# KiCad board RX8-7(WithoutOpAmps).kicad_pcb
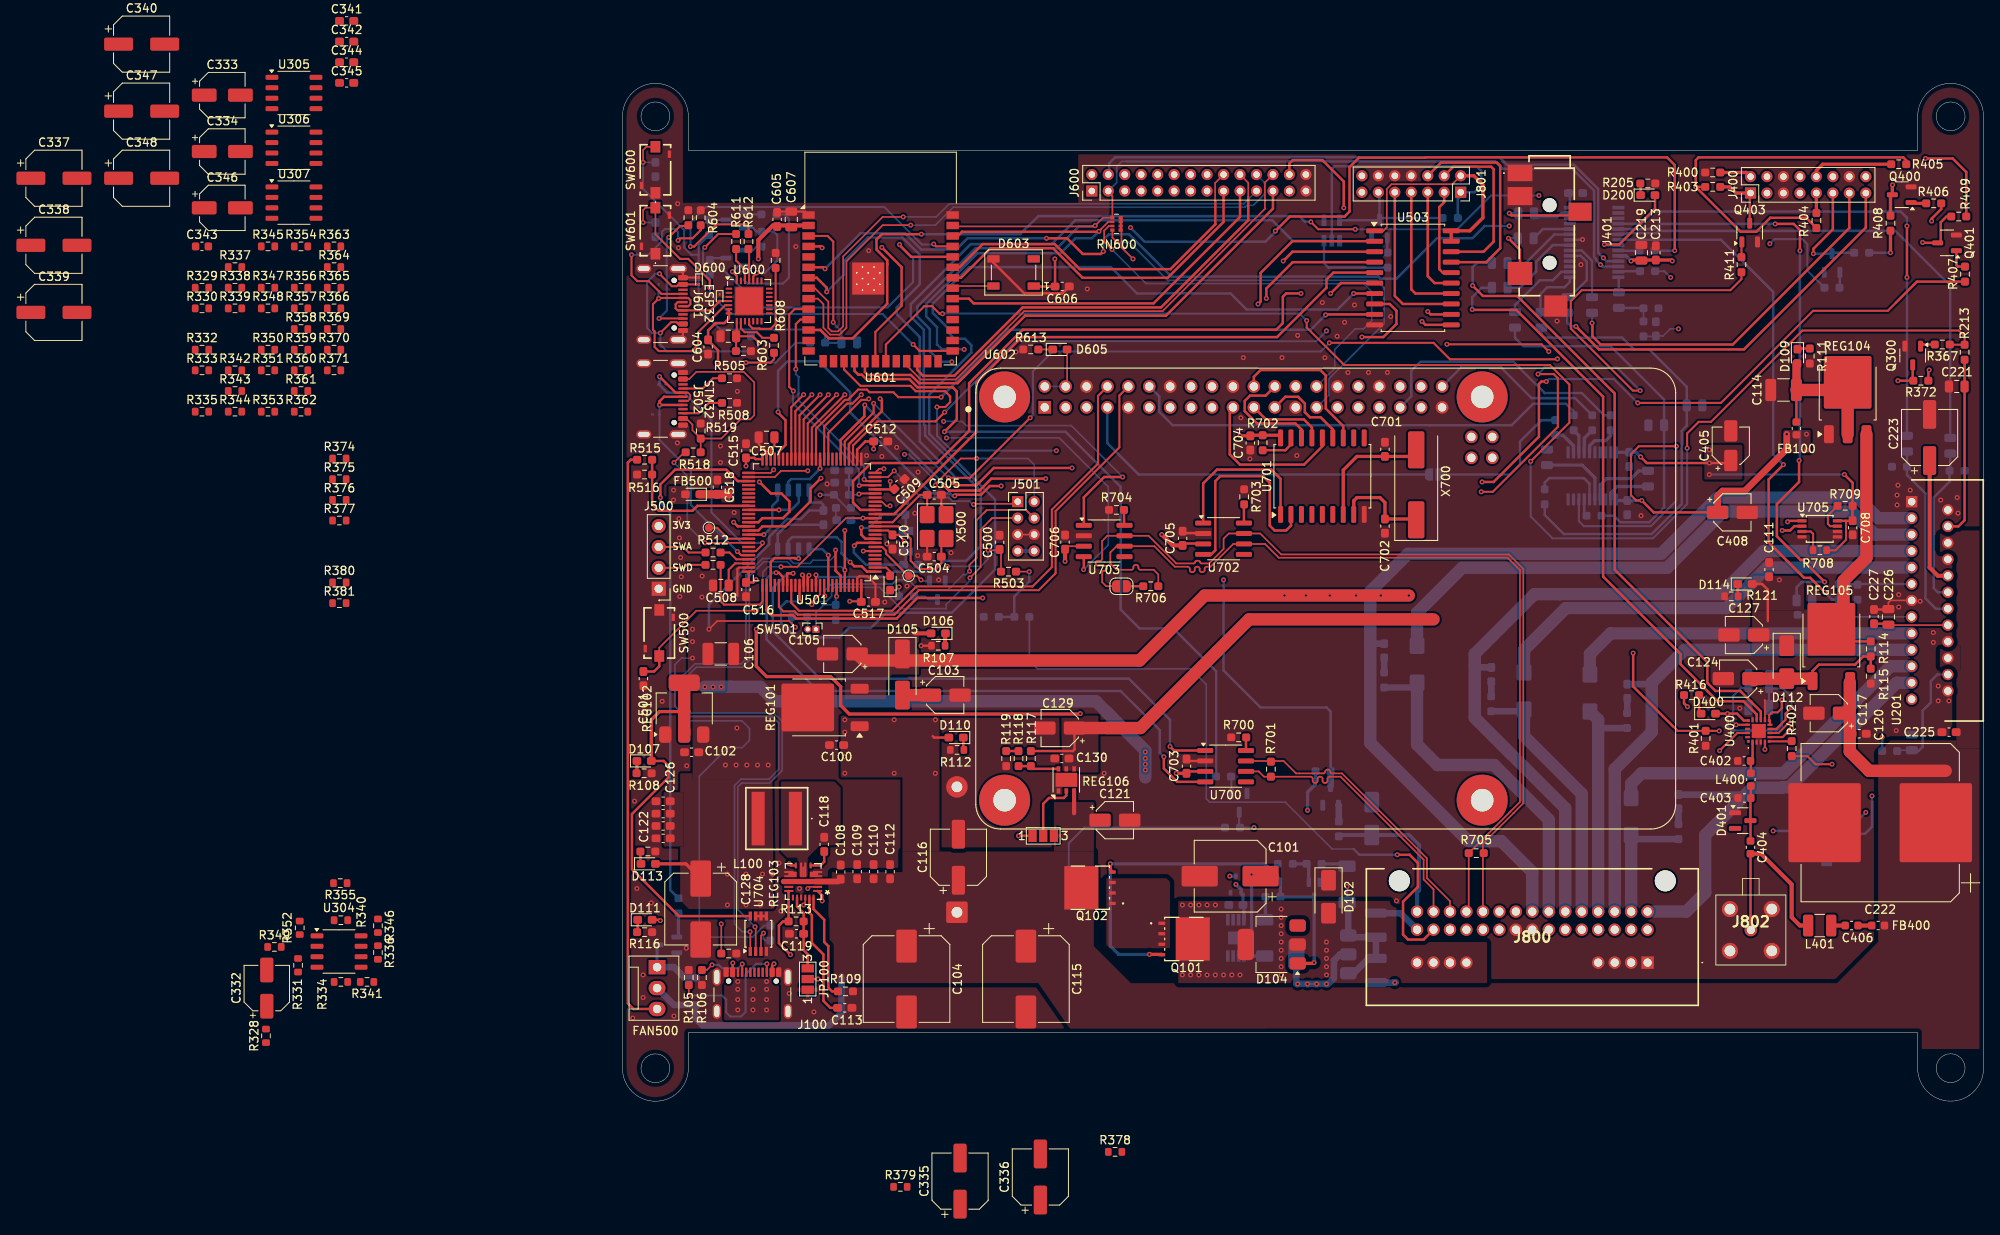
[diagram p0: board, top side]
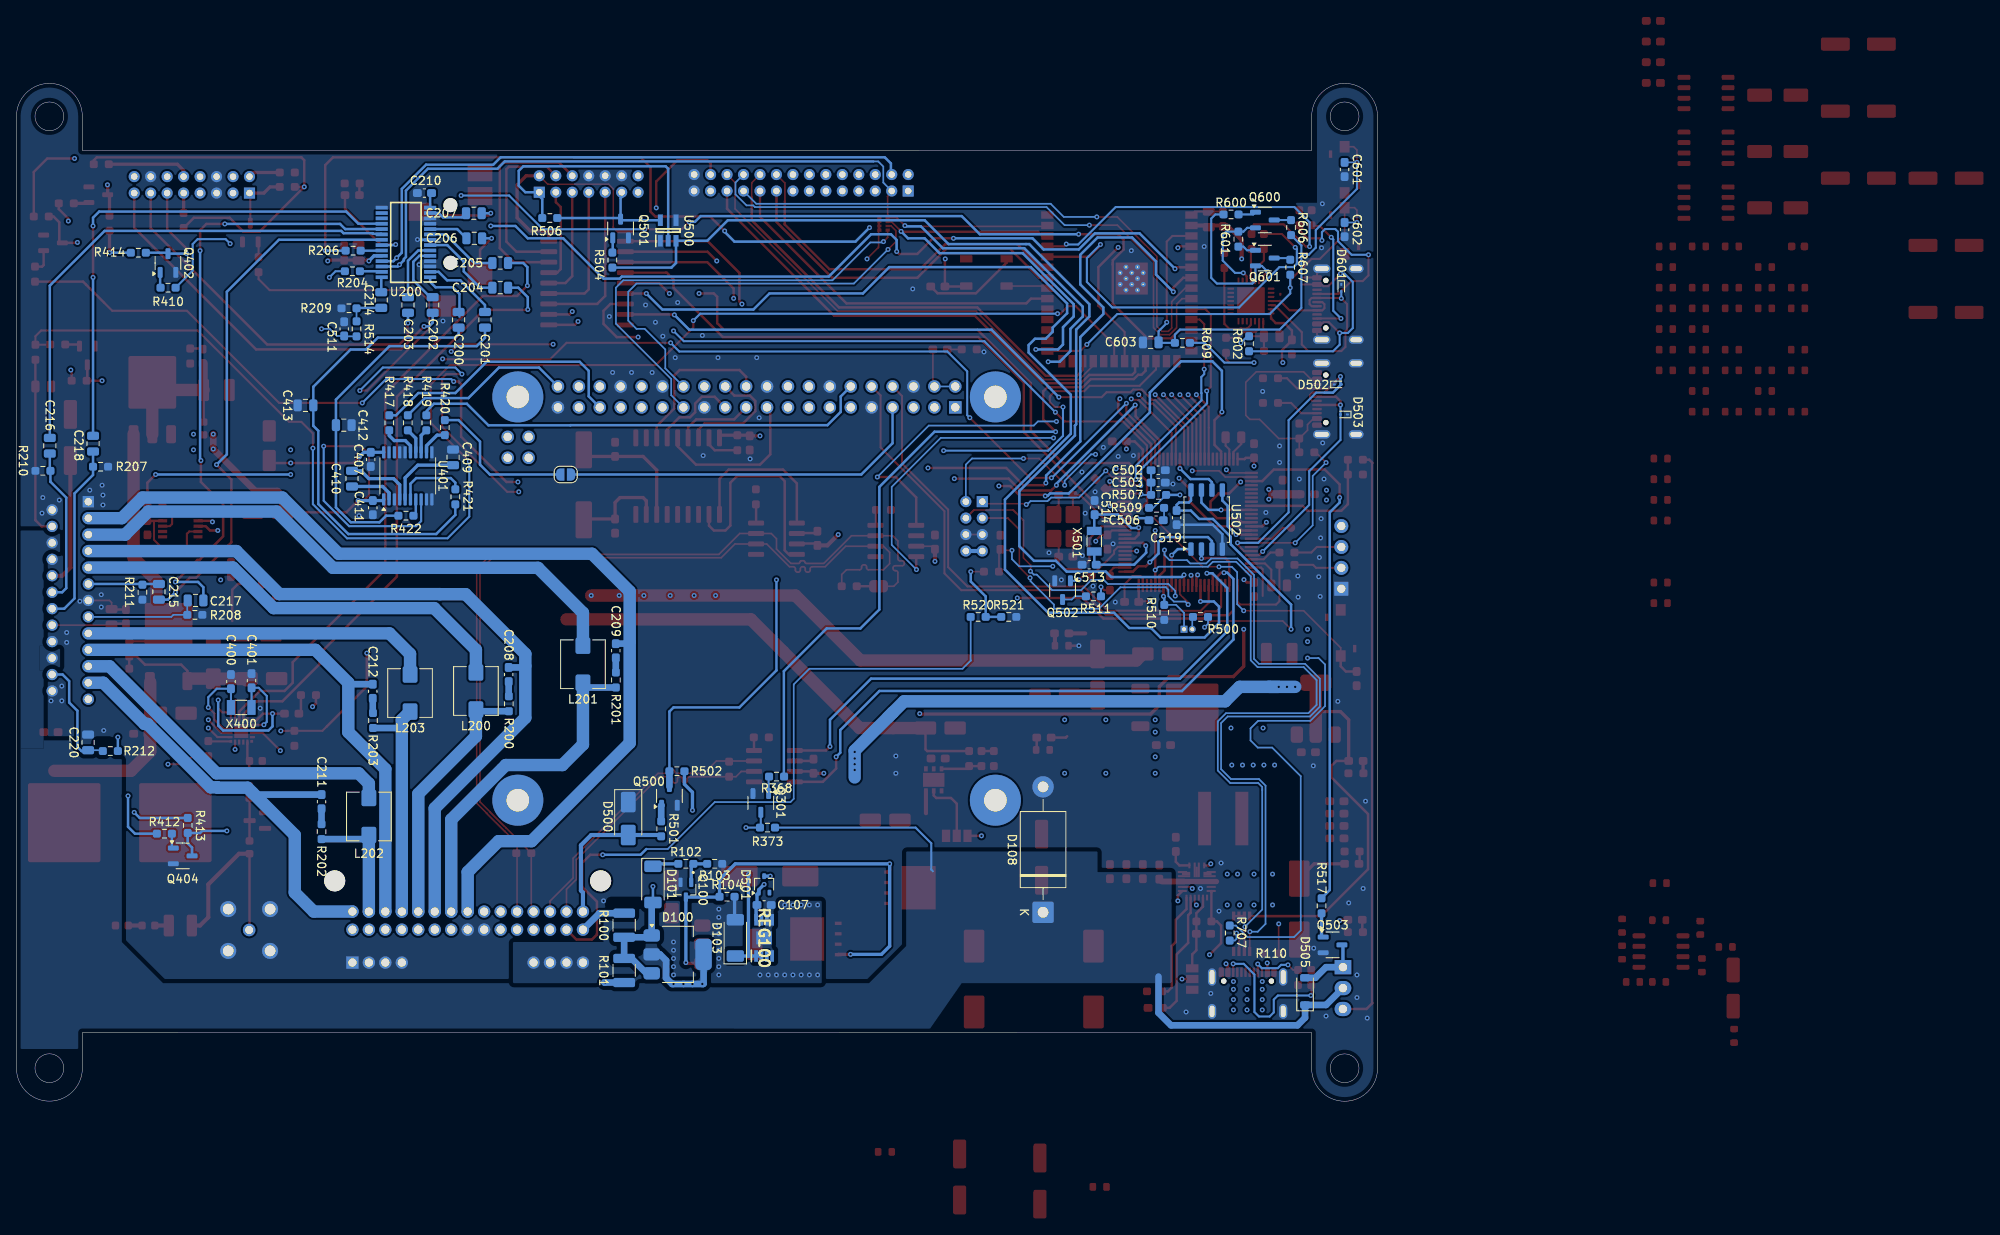
[diagram p1: board, bottom side, seen from below]

Outline 165.3 x 123.66 mm; copper layers: Top, In1.Cu, In2.Cu, Bottom. Coordinates in mm from the lower left corner of the outline.
Outline path: circle c4,119.66 r1.75 ; circle c4,4 r1.75 ; circle c161.3,119.66 r1.75 ; circle c161.3,4.01 r1.75 ; 0,119.66 0,4.01 arc(3.99,0) 8,3.98 8,8.32 157.3,8.33 157.3,4.02 arc(161.29,0.01) 165.3,3.99 165.3,119.68 arc(161.29,123.66) 157.3,119.66 157.3,115.53 8,115.54 8,119.68 arc(3.99,123.66) 0,119.66
Stack: Top 0.035mm / dielectric 0.1mm FR4 er 4.5 / In1.Cu 0.035mm / dielectric 1.24mm FR4 er 4.5 / In2.Cu 0.035mm / dielectric 0.1mm FR4 er 4.5 / Bottom 0.035mm

## Placement (name value [footprint] x y rotation side)
C100  100n  [C_0603_1608Metric_Pad1.08x0.95mm_HandSolder]  26 43.27 180 top
C101  10u  [CP_Elec_8x10.5]  73.8 27.34 180 top
C102  100n  [C_0603_1608Metric_Pad1.08x0.95mm_HandSolder]  8.4 42.4 180 top
C103  10u  [CP_Elec_4x5.4]  39.2 49.34 0 top
C104  220u  [CP_Elec_10x10]  34.5 14.84 270 top
C105  1u  [CP_Elec_4x5.7]  26.7 54.34 180 top
C106  10u  [C_1210_3225Metric_Pad1.33x2.70mm_HandSolder]  11.94 54.34 0 top
C107  100n  [C_0603_1608Metric_Pad1.08x0.95mm_HandSolder]  74.5 23.84 180 bottom
C108  10u  [C_0603_1608Metric_Pad1.08x0.95mm_HandSolder]  26.5 27.84 90 top
C109  10u  [C_0603_1608Metric_Pad1.08x0.95mm_HandSolder]  28.5 27.89 90 top
C110  100n  [C_0603_1608Metric_Pad1.08x0.95mm_HandSolder]  30.5 27.89 90 top
C111  100n  [C_0603_1608Metric_Pad1.08x0.95mm_HandSolder]  139.25 64.59 90 top
C112  100n  [C_0603_1608Metric_Pad1.08x0.95mm_HandSolder]  32.5 27.89 90 top
C113  22n  [C_0603_1608Metric_Pad1.08x0.95mm_HandSolder]  27 11.34 0 top
C114  10u  [C_1210_3225Metric_Pad1.33x2.70mm_HandSolder]  141.01 86.42 180 top
C115  100u  [CP_Elec_10x10]  49 14.84 270 top
C116  47u  [CP_Elec_6.3x5.9]  40.8 29.64 90 top
C117  10u  [CP_Elec_4x5.4]  146.5 47.14 180 top
C118  100n  [C_0603_1608Metric_Pad1.08x0.95mm_HandSolder]  24.5 31.21 90 top
C119  4u7  [C_0603_1608Metric_Pad1.08x0.95mm_HandSolder]  21.14 20.34 180 top
C120  100n  [C_0603_1608Metric_Pad1.08x0.95mm_HandSolder]  150.2 44.64 0 top
C121  10u  [CP_Elec_4x5.4]  59.8 34.14 0 top
C122  47u  [C_0603_1608Metric_Pad1.08x0.95mm_HandSolder]  4.94 31.93 180 top
C123  47u  [C_0603_1608Metric_Pad1.08x0.95mm_HandSolder]  4.94 33.44 180 top
C124  10u  [CP_Elec_4x5.4]  135.5 51.34 180 top
C125  22u  [C_0603_1608Metric_Pad1.08x0.95mm_HandSolder]  4.94 34.94 180 top
C126  22uF  [C_0603_1608Metric_Pad1.08x0.95mm_HandSolder]  4.94 36.44 180 top
C127  1u  [CP_Elec_4x5.4]  136.2 56.64 180 top
C128  470u  [CP_Elec_8x10.5]  9.5 23.34 270 top
C129  4u7  [CP_Elec_4x5.4]  53.1 45.34 180 top
C130  100n  [C_0603_1608Metric_Pad1.08x0.95mm_HandSolder]  53.36 41.64 180 top
C200  1u  [C_0805_2012Metric]  111.6 94.94 90 bottom
C201  1u  [C_0805_2012Metric]  108.4 94.94 90 bottom
C202  1u  [C_0805_2012Metric]  114.75 96.74 90 bottom
C203  1u  [C_0805_2012Metric]  117.75 96.74 90 bottom
C204  1u  [C_0805_2012Metric]  106.55 98.84 0 bottom
C205  1u  [C_0805_2012Metric]  106.55 101.84 0 bottom
C206  1u  [C_0805_2012Metric]  109.7 104.84 0 bottom
C207  1u  [C_0805_2012Metric]  109.75 107.89 0 bottom
C208  100n  [C_0603_1608Metric_Pad1.08x0.95mm_HandSolder]  105.52 51.84 90 bottom
C209  100n  [C_0603_1608Metric_Pad1.08x0.95mm_HandSolder]  92.51 54.73 90 bottom
C210  470n  [C_0603_1608Metric_Pad1.08x0.95mm_HandSolder]  115.75 110.34 0 bottom
C211  100n  [C_0603_1608Metric_Pad1.08x0.95mm_HandSolder]  128.25 36.39 90 bottom
C212  100n  [C_0603_1608Metric_Pad1.08x0.95mm_HandSolder]  122.03 49.81 90 bottom
C213  100n  [C_0603_1608Metric_Pad1.08x0.95mm_HandSolder]  125.5 103.07 90 top
C214  1u  [C_0805_2012Metric]  121 97.34 270 bottom
C215  2u2  [C_0805_2012Metric]  148 61.89 90 bottom
C216  2u2  [C_0805_2012Metric]  161.25 79.64 270 bottom
C217  2u2  [C_0805_2012Metric]  143.55 60.84 0 bottom
C218  2u2  [C_0805_2012Metric]  156 79.89 270 bottom
C219  10u  [C_0805_2012Metric]  123.75 103.09 90 top
C220  1u  [C_0805_2012Metric]  156.6 43.59 90 bottom
C221  1u  [C_0805_2012Metric]  162.05 86.84 180 top
C222  4700u  [CP_Elec_18x22]  152.75 33.84 180 top
C223  47u  [CP_Elec_6.3x5.9]  158.75 80.64 90 top
C225  100n  [C_0603_1608Metric_Pad1.08x0.95mm_HandSolder]  161.11 44.84 180 top
C226  470n  [C_0805_2012Metric]  153.75 58.84 90 top
C227  100n  [C_0603_1608Metric_Pad1.08x0.95mm_HandSolder]  152 58.88 90 top
C332  4u7  [CP_Elec_5x4.5]  -43.2 13.74 90 top
C333  4u7  [CP_Elec_5x4.5]  -48.6 122.24 0 top
C334  4u7  [CP_Elec_5x4.5]  -48.6 115.39 0 top
C335  220u  [CP_Elec_6.3x5.3]  41 -9.71 90 top
C336  220u  [CP_Elec_6.3x5.3]  50.75 -9.21 90 top
C337  220u  [CP_Elec_6.3x5.3]  -69.05 112.14 0 top
C338  220u  [CP_Elec_6.3x5.3]  -69.05 103.99 0 top
C339  220u  [CP_Elec_6.3x5.3]  -69.05 95.84 0 top
C340  220u  [CP_Elec_6.3x5.3]  -58.4 128.44 0 top
C341  100n  [C_0603_1608Metric_Pad1.08x0.95mm_HandSolder]  -33.5 131.26 0 top
C342  100n  [C_0603_1608Metric_Pad1.08x0.95mm_HandSolder]  -33.5 128.75 0 top
C343  100n  [C_0603_1608Metric]  -51.07 103.86 0 top
C344  100n  [C_0603_1608Metric_Pad1.08x0.95mm_HandSolder]  -33.5 126.24 0 top
C345  100n  [C_0603_1608Metric_Pad1.08x0.95mm_HandSolder]  -33.5 123.73 0 top
C346  4u7  [CP_Elec_5x4.5]  -48.6 108.54 0 top
C347  220u  [CP_Elec_6.3x5.3]  -58.4 120.29 0 top
C348  220u  [CP_Elec_6.3x5.3]  -58.4 112.14 0 top
C400  22p  [C_0603_1608Metric_Pad1.08x0.95mm_HandSolder]  139.25 50.98 90 bottom
C401  22p  [C_0603_1608Metric_Pad1.08x0.95mm_HandSolder]  136.75 51.09 90 bottom
C402  NA  [C_0603_1608Metric]  136.22 41.34 0 top
C403  NA  [C_0603_1608Metric]  136.26 36.84 0 top
C404  470p  [C_0603_1608Metric]  137 30.84 270 top
C405  10u  [CP_Elec_4x5.4]  134.6 79.64 90 top
C406  10u  [C_0603_1608Metric]  149.28 21.34 0 top
C407  100n  [C_0603_1608Metric_Pad1.08x0.95mm_HandSolder]  122.28 77.98 270 bottom
C408  10u  [CP_Elec_4x5.4]  134.8 71.54 0 top
C409  2u2  [C_0805_2012Metric]  112.28 78.23 270 bottom
C410  2u2  [C_0805_2012Metric]  124.55 75.64 270 bottom
C411  100n  [C_0603_1608Metric_Pad1.08x0.95mm_HandSolder]  122.03 72.12 270 bottom
C412  2u2  [C_0805_2012Metric]  125.55 82.14 0 bottom
C413  2u2  [C_0805_2012Metric]  130.2 84.54 180 bottom
C500  100n  [C_0603_1608Metric_Pad1.08x0.95mm_HandSolder]  45.8 67.91 90 top
C501  100n  [C_0603_1608Metric_Pad1.08x0.95mm_HandSolder]  2.54 51.35 90 top
C502  100n  [C_0603_1608Metric_Pad1.08x0.95mm_HandSolder]  26.64 76.67 180 bottom
C503  10u  [C_0603_1608Metric_Pad1.08x0.95mm_HandSolder]  26.64 75.17 180 bottom
C504  12p  [C_0603_1608Metric_Pad1.08x0.95mm_HandSolder]  37.86 66.17 0 top
C505  12p  [C_0603_1608Metric_Pad1.08x0.95mm_HandSolder]  37.86 73.67 0 top
C506  100n  [C_0603_1608Metric_Pad1.08x0.95mm_HandSolder]  26.89 70.59 0 bottom
C507  2u2  [C_0805_2012Metric]  17.5 80.67 180 top
C508  2u2  [C_0805_2012Metric]  11.95 62.67 180 top
C509  100n  [C_0603_1608Metric_Pad1.08x0.95mm_HandSolder]  33.64 74.98 225 top
C510  100n  [C_0603_1608Metric_Pad1.08x0.95mm_HandSolder]  32.8 67.94 90 top
C511  100n  [C_0603_1608Metric_Pad1.08x0.95mm_HandSolder]  125.5 93.84 270 bottom
C512  100n  [C_0603_1608Metric_Pad1.08x0.95mm_HandSolder]  31.36 80.17 180 top
C513  15p  [C_0603_1608Metric_Pad1.08x0.95mm_HandSolder]  35.02 65.19 0 bottom
C514  15p  [C_0603_1608Metric_Pad1.08x0.95mm_HandSolder]  34.36 72.13 90 bottom
C515  100n  [C_0603_1608Metric_Pad1.08x0.95mm_HandSolder]  15 79.03 270 top
C516  100n  [C_0603_1608Metric_Pad1.08x0.95mm_HandSolder]  15 62.17 90 top
C517  100n  [C_0603_1608Metric_Pad1.08x0.95mm_HandSolder]  29.86 60.67 180 top
C518  10u  [C_0603_1608Metric_Pad1.08x0.95mm_HandSolder]  11.53 74.61 90 top
C519  100n  [C_0603_1608Metric_Pad1.08x0.95mm_HandSolder]  24.4 70.91 90 bottom
C600  1u  [C_0805_2012Metric]  12.85 92.94 180 top
C601  100n  [C_0603_1608Metric_Pad1.08x0.95mm_HandSolder]  4 113.21 90 bottom
C602  100n  [C_0603_1608Metric_Pad1.08x0.95mm_HandSolder]  4 105.91 90 bottom
C603  1u  [C_0805_2012Metric]  27.54 92.2 0 bottom
C604  100n  [C_0603_1608Metric_Pad1.08x0.95mm_HandSolder]  10.4 91.64 270 top
C605  100n  [C_0603_1608Metric_Pad1.08x0.95mm_HandSolder]  18.78 107.14 90 top
C606  100n  [C_0603_1608Metric_Pad1.08x0.95mm_HandSolder]  53.4 98.99 0 top
C607  10u  [C_0805_2012Metric]  20.5 107.14 90 top
C701  22p  [C_0603_1608Metric_Pad1.08x0.95mm_HandSolder]  92.6 79.21 270 top
C702  22p  [C_0603_1608Metric_Pad1.08x0.95mm_HandSolder]  92.6 69.88 90 top
C703  100n  [C_0603_1608Metric_Pad1.08x0.95mm_HandSolder]  68.5 40.71 270 top
C704  100n  [C_0603_1608Metric_Pad1.08x0.95mm_HandSolder]  76.25 79.98 90 top
C705  100n  [C_0603_1608Metric_Pad1.08x0.95mm_HandSolder]  68.02 68.39 270 top
C706  100n  [C_0603_1608Metric_Pad1.08x0.95mm_HandSolder]  53.75 67.93 270 top
C708  100n  [C_0603_1608Metric_Pad1.08x0.95mm_HandSolder]  149.4 69.68 90 top
D100  D_Zener  [SOT-223-3_TabPin2#2]  85 17.84 180 bottom
D101  1N5402  [D_SOD-128]  88 26.34 270 bottom
D102  SMAJ24A  [D_SMA]  85.75 24.84 270 top
D103  1N5402  [D_SOD-128]  78 19.84 90 bottom
D104  D_Zener  [SOT-223-3_TabPin2]  78.85 19.04 180 top
D105  1N4007  [D_SMA_Handsoldering]  34 51.84 270 top
D106  LED  [LED_0603_1608Metric_Pad1.05x0.95mm_HandSolder]  38.35 56.84 180 top
D107  LED  [LED_0603_1608Metric_Pad1.05x0.95mm_HandSolder]  2.63 41.34 0 top
D108  1.5KExxA  [D_DO-201AE_P15.24mm_Horizontal]  40.62 22.95 90 bottom
D109  LED  [LED_0603_1608Metric_Pad1.05x0.95mm_HandSolder]  142.7 90.51 270 top
D110  LED  [LED_0603_1608Metric_Pad1.05x0.95mm_HandSolder]  40.52 44.18 180 top
D111  LED  [LED_0603_1608Metric_Pad1.05x0.95mm_HandSolder]  2.72 22.04 0 top
D112  1N4007  [D_SMA]  141.4 53.34 270 top
D113  LED  [LED_0603_1608Metric_Pad1.05x0.95mm_HandSolder]  3.12 28.84 0 top
D114  LED  [LED_0603_1608Metric_Pad1.05x0.95mm_HandSolder]  136.32 62.84 0 top
D200  LED  [LED_0603_1608Metric_Pad1.05x0.95mm_HandSolder]  124.53 110.09 0 top
D400  LED  [LED_0603_1608Metric_Pad1.05x0.95mm_HandSolder]  131.88 47.09 0 top
D401  NUP2105L  [SOT-23]  136.05 34.09 0 top
D500  SMAJ24A  [D_SMA]  91 34.34 270 bottom
D501  BAT54W  [SOT-323_SC-70]  74.5 26.34 90 bottom
D502  ESD9B5.0ST5G  [D_SOD-923]  4.83 87.09 180 bottom
D503  ESD9B5.0ST5G  [D_SOD-923]  4.08 83.44 0 bottom
D504  LED  [LED_0603_1608Metric_Pad1.05x0.95mm_HandSolder]  32.5 62.97 90 top
D505  1N4001  [D_SOD-123]  8.8 13.34 90 bottom
D600  ESD9B5.0ST5G  [D_SOD-923]  9.3 99.66 270 top
D601  ESD9B5.0ST5G  [D_SOD-923]  4.4 98.82 270 bottom
D602  ESD9B5.0ST5G  [D_SOD-923]  11.8 97.62 270 top
D603  WS2812B  [LED_WS2812B_PLCC4_5.0x5.0mm_P3.2mm]  47.5 100.69 180 top
D605  LED  [LED_0603_1608Metric_Pad1.05x0.95mm_HandSolder]  53.12 91.34 0 top
FAN500  Fan_3pin  [FanPinHeader_1x03_P2.54mm_Vertical]  4.2 16.28 270 top
FB100  FerriteBead  [C_0603_1608Metric]  142.58 81.74 90 top
FB400  FerriteBead  [C_0603_1608Metric]  152.5 21.34 180 top
FB500  FerriteBead  [LED_0603_1608Metric_Pad1.05x0.95mm_HandSolder]  8.53 73.74 180 top
J100  USB_C_Receptacle_USB2.0_16P  [USB_C_Receptacle_GCT_USB4105-xx-A_16P_TopMnt_Horizontal]  15.78 11.99 0 top
J400  Conn_01x15_Pin  [PinHeader_2x08_P2.00mm_Vertical]  137 110.34 90 top
J401  -  [35RASMT6CHNTRX]  112.6 105.74 270 top
J500  Conn_01x04_Pin  [PinHeader_1x04_P2.54mm_Vertical]  4.4 62.26 180 top
J501  Conn_01x04_Pin  [PinHeader_2x04_P2.00mm_Vertical]  48 72.85 0 top
J502  USB_C_Receptacle_USB2.0_16P  [USB_C_Receptacle_GCT_USB4105-xx-A_16P_TopMnt_Horizontal]  3.67 85.34 270 top
J600  Conn_01x24_Pin  [PinHeader_2x14_P2.00mm_Vertical]  57 110.59 90 top
J601  USB_C_Receptacle_USB2.0_16P  [USB_C_Receptacle_GCT_USB4105-xx-A_16P_TopMnt_Horizontal]  3.67 96.84 270 top
J800  34958-0383  [349580383]  124.5 16.84 180 top
J801  Conn_01x12_Pin  [PinSocket_2x07_P2.00mm_Vertical]  101.8 110.44 270 top
J802  59S10H-400T5-A  [59S10H400T5A]  134.5 23.34 0 top
JP100  Jumper_3_Bridged12  [SolderJumper-3_P1.3mm_Open_Pad1.0x1.5mm_NumberLabels]  22.5 14.84 90 top
JP101  Jumper_3_Bridged12  [SolderJumper-3_P1.3mm_Open_Pad1.0x1.5mm_NumberLabels]  51.1 32.24 0 top
JP600  Jumper_2_Open  [SolderJumper-2_P1.3mm_Open_RoundedPad1.0x1.5mm#2]  98.6 76.14 0 bottom
JP702  Jumper_2_Bridged  [SolderJumper-2_P1.3mm_Open_RoundedPad1.0x1.5mm]  60.6 62.57 0 top
L100  4.7uH  [XAL7030472MEC]  18.74 34.34 180 top
L200  10u  [L_Bourns_SRP5030T]  109.5 49.84 270 bottom
L201  10u  [L_Bourns_SRP5030T]  96.5 53.09 270 bottom
L202  10u  [L_Bourns_SRP5030T]  122.5 34.59 270 bottom
L203  10u  [L_Bourns_SRP5030T]  117.5 49.59 270 bottom
L400  NA  [C_0603_1608Metric]  137.04 39.07 270 top
L401  10u  [L_1210_3225Metric]  145.4 21.34 0 top
Q100  NPN  [SOT65P210X125-3N]  84 25.69 270 bottom
Q101  SQJ407EP-T1_GE3  [PowerPAK-SO-8L_Option-2_VIS]  68.21 19.71 0 top
Q102  SQJ407EP-T1_GE3  [PowerPAK-SO-8L_Option-2_VIS]  56.79 25.94 180 top
Q300  NPN  [SOT-23-3(CORRECTED)]  156.7 90.61 270 top
Q301  NPN  [SOT-23-3(CORRECTED)]  74.9 36.24 270 bottom
Q400  NPN  [SOT-23-3(CORRECTED)]  155.36 110.14 180 top
Q401  NPN  [SOT-23-3(CORRECTED)]  160.86 104.29 180 top
Q402  NPN  [SOT-23-3(CORRECTED)]  146.9 101.84 90 bottom
Q403  NPN  [SOT-23-3(CORRECTED)]  136.9 105.54 90 top
Q404  NPN  [SOT-23-3(CORRECTED)]  145.11 29.81 180 bottom
Q500  NPN  [SOT-23-3(CORRECTED)]  86 37.09 90 bottom
Q501  NPN  [SOT-23-3(CORRECTED)]  91.93 106.04 90 bottom
Q502  NPN  [SOT-23-3(CORRECTED)]  38.25 62.09 270 bottom
Q503  NPN  [SOT-23-3(CORRECTED)]  5.46 18.99 180 bottom
Q600  NPN  [SOT-23-3(CORRECTED)]  13.69 107.07 180 bottom
Q601  NPN  [SOT-23-3(CORRECTED)]  13.69 102.44 180 bottom
R100  10k  [R_1210_3225Metric]  91.5 21.38 270 bottom
R101  10k  [R_1210_3225Metric]  91.5 15.88 90 bottom
R102  22k  [R_0603_1608Metric_Pad0.98x0.95mm_HandSolder]  84 28.84 180 bottom
R103  10k  [R_0603_1608Metric_Pad0.98x0.95mm_HandSolder]  80.5 28.84 0 bottom
R104  10k  [R_0603_1608Metric_Pad0.98x0.95mm_HandSolder]  79 24.84 180 bottom
R105  5k1  [R_0603_1608Metric_Pad0.98x0.95mm_HandSolder]  8.05 15.03 90 top
R106  5k1  [R_0603_1608Metric_Pad0.98x0.95mm_HandSolder]  9.65 15.03 270 top
R107  22k  [R_0603_1608Metric]  38.35 55.34 0 top
R108  22k  [R_0603_1608Metric_Pad0.98x0.95mm_HandSolder]  2.62 39.84 0 top
R109  62k  [R_0603_1608Metric_Pad0.98x0.95mm_HandSolder]  27.09 13.34 0 top
R110  51k  [R_0603_1608Metric_Pad0.98x0.95mm_HandSolder]  12.91 17.94 0 top
R111  22k  [R_0603_1608Metric_Pad0.98x0.95mm_HandSolder]  144.2 90.54 270 top
R112  22k  [R_0603_1608Metric]  40.64 42.68 0 top
R113  100k  [R_0603_1608Metric_Pad0.98x0.95mm_HandSolder]  21.09 21.84 0 top
R114  240R  [R_0603_1608Metric_Pad0.98x0.95mm_HandSolder]  151.6 54.96 270 top
R115  1k5  [R_0603_1608Metric_Pad0.98x0.95mm_HandSolder]  151.6 51.64 270 top
R116  2K2  [R_0603_1608Metric_Pad0.98x0.95mm_HandSolder]  2.69 20.54 180 top
R117  2k  [R_0603_1608Metric_Pad0.98x0.95mm_HandSolder]  49.6 41.63 90 top
R118  12k  [R_0603_1608Metric_Pad0.98x0.95mm_HandSolder]  48.1 41.63 270 top
R119  1k8  [R_0603_1608Metric_Pad0.98x0.95mm_HandSolder]  46.6 41.63 90 top
R120  2K2  [R_0603_1608Metric_Pad0.98x0.95mm_HandSolder]  3.09 30.34 180 top
R121  22k  [R_0603_1608Metric]  134.68 61.34 0 top
R200  10R  [R_0603_1608Metric_Pad0.98x0.95mm_HandSolder]  105.5 48.29 90 bottom
R201  10R  [R_0603_1608Metric_Pad0.98x0.95mm_HandSolder]  92.5 51.18 90 bottom
R202  10R  [R_0603_1608Metric_Pad0.98x0.95mm_HandSolder]  128.25 32.76 90 bottom
R203  10R  [R_0603_1608Metric_Pad0.98x0.95mm_HandSolder]  122 46.26 90 bottom
R204  100k  [R_0603_1608Metric_Pad0.98x0.95mm_HandSolder]  124.5 100.84 0 bottom
R205  22k  [R_0603_1608Metric_Pad0.98x0.95mm_HandSolder]  124.53 111.51 0 top
R206  10k  [R_0603_1608Metric_Pad0.98x0.95mm_HandSolder]  124.41 103.34 0 bottom
R207  10k  [R_0603_1608Metric_Pad0.98x0.95mm_HandSolder]  155.09 77.09 180 bottom
R208  10k  [R_0603_1608Metric_Pad0.98x0.95mm_HandSolder]  143.64 59.09 180 bottom
R209  10k  [R_0603_1608Metric_Pad0.98x0.95mm_HandSolder]  124.91 96.34 0 bottom
R210  10k  [R_0603_1608Metric_Pad0.98x0.95mm_HandSolder]  162.09 76.59 0 bottom
R211  10k  [R_0603_1608Metric_Pad0.98x0.95mm_HandSolder]  150 61.84 270 bottom
R212  47k  [R_0603_1608Metric_Pad0.98x0.95mm_HandSolder]  153.9 42.54 0 bottom
R213  10k  [R_0603_1608Metric_Pad0.98x0.95mm_HandSolder]  163 91.01 270 top
R328  4k3  [R_0603_1608Metric]  -43.3 7.94 90 top
R329  4k3  [R_0603_1608Metric]  -51.07 98.84 0 top
R330  4k3  [R_0603_1608Metric]  -51.07 96.33 0 top
R331  0R  [R_0603_1608Metric]  -39.4 16.52 90 top
R332  0R  [R_0603_1608Metric]  -51.07 91.31 0 top
R333  0R  [R_0603_1608Metric]  -51.07 88.8 0 top
R334  27k  [R_0603_1608Metric]  -34.2 14.49 0 top
R335  27k  [R_0603_1608Metric]  -51.07 83.78 0 top
R336  4k7  [R_0603_1608Metric]  -29.7 18.07 270 top
R337  4k7  [R_0603_1608Metric]  -47.06 101.35 0 top
R338  27k  [R_0603_1608Metric]  -47.06 98.84 0 top
R339  4k7  [R_0603_1608Metric]  -47.06 96.33 0 top
R340  4k7  [R_0603_1608Metric]  -34.2 21.99 180 top
R341  0R  [R_0603_1608Metric]  -31.02 14.49 180 top
R342  4k7  [R_0603_1608Metric]  -47.06 88.8 0 top
R343  0R  [R_0603_1608Metric]  -47.06 86.29 0 top
R344  4k7  [R_0603_1608Metric]  -47.06 83.78 0 top
R345  0R  [R_0603_1608Metric]  -43.05 103.86 0 top
R346  4R7  [R_0603_1608Metric]  -29.7 21.32 270 top
R347  4R7  [R_0603_1608Metric]  -43.05 98.84 0 top
R348  4R7  [R_0603_1608Metric]  -43.05 96.33 0 top
R349  1k  [R_0603_1608Metric]  -42.27 18.74 0 top
R350  1k  [R_0603_1608Metric]  -43.05 91.31 0 top
R351  1k  [R_0603_1608Metric]  -43.05 88.8 0 top
R352  4R7  [R_0603_1608Metric]  -39.2 21.07 270 top
R353  4R7  [R_0603_1608Metric]  -43.05 83.78 0 top
R354  4R7  [R_0603_1608Metric]  -39.04 103.86 0 top
R355  4k7  [R_0603_1608Metric]  -34.27 26.49 180 top
R356  4k7  [R_0603_1608Metric]  -39.04 98.84 0 top
R357  4k7  [R_0603_1608Metric]  -39.04 96.33 0 top
R358  3k3  [R_0603_1608Metric]  -39.04 93.82 0 top
R359  3k3  [R_0603_1608Metric]  -39.04 91.31 0 top
R360  4k3  [R_0603_1608Metric]  -39.04 88.8 0 top
R361  0R  [R_0603_1608Metric]  -39.04 86.29 0 top
R362  27k  [R_0603_1608Metric]  -39.04 83.78 0 top
R363  4k7  [R_0603_1608Metric]  -35.03 103.86 0 top
R364  4k7  [R_0603_1608Metric]  -35.03 101.35 0 top
R365  0R  [R_0603_1608Metric]  -35.03 98.84 0 top
R366  1k  [R_0603_1608Metric]  -35.03 96.33 0 top
R367  1k  [R_0603_1608Metric_Pad0.98x0.95mm_HandSolder]  160.29 91.94 180 top
R368  1k  [R_0603_1608Metric_Pad0.98x0.95mm_HandSolder]  72.99 39.44 0 bottom
R369  4R7  [R_0603_1608Metric]  -35.03 93.82 0 top
R370  4R7  [R_0603_1608Metric]  -35.03 91.31 0 top
R371  4k7  [R_0603_1608Metric]  -35.03 88.8 0 top
R372  10k  [R_0603_1608Metric_Pad0.98x0.95mm_HandSolder]  157.69 87.54 0 top
R373  10k  [R_0603_1608Metric_Pad0.98x0.95mm_HandSolder]  74.09 33.24 180 bottom
R374  0R  [R_0603_1608Metric]  -34.38 78.08 0 top
R375  0R  [R_0603_1608Metric]  -34.38 75.57 0 top
R376  0R  [R_0603_1608Metric]  -34.38 73.06 0 top
R377  0R  [R_0603_1608Metric]  -34.38 70.55 0 top
R378  0R  [R_0603_1608Metric]  59.82 -6.16 0 top
R379  0R  [R_0603_1608Metric]  33.75 -10.41 0 top
R380  0R  [R_0603_1608Metric]  -34.38 63.02 0 top
R381  0R  [R_0603_1608Metric]  -34.38 60.51 0 top
R400  10k  [R_0603_1608Metric_Pad0.98x0.95mm_HandSolder]  132.41 112.84 0 top
R401  10k  [R_0603_1608Metric_Pad0.98x0.95mm_HandSolder]  131.55 44.09 90 top
R402  10k  [R_0603_1608Metric_Pad0.98x0.95mm_HandSolder]  142 42.84 270 top
R403  10k  [R_0603_1608Metric_Pad0.98x0.95mm_HandSolder]  132.41 111.09 180 top
R404  10k  [R_0603_1608Metric_Pad0.98x0.95mm_HandSolder]  145 107.01 270 top
R405  10k  [R_0603_1608Metric_Pad0.98x0.95mm_HandSolder]  155 113.84 0 top
R406  1k  [R_0603_1608Metric_Pad0.98x0.95mm_HandSolder]  159.25 109.09 180 top
R407  1k  [R_0603_1608Metric_Pad0.98x0.95mm_HandSolder]  163.05 100.49 90 top
R408  10k  [R_0603_1608Metric_Pad0.98x0.95mm_HandSolder]  154 106.68 270 top
R409  10k  [R_0603_1608Metric_Pad0.98x0.95mm_HandSolder]  162.29 107.49 0 top
R410  1k  [R_0603_1608Metric_Pad0.98x0.95mm_HandSolder]  146.89 98.84 0 bottom
R411  1k  [R_0603_1608Metric_Pad0.98x0.95mm_HandSolder]  135.9 101.64 90 top
R412  1k  [R_0603_1608Metric_Pad0.98x0.95mm_HandSolder]  147.34 32.51 180 bottom
R413  10k  [R_0603_1608Metric_Pad0.98x0.95mm_HandSolder]  144.5 33.51 90 bottom